# Altium PCB zynqCoreboard_PCB.PcbDoc (continued)
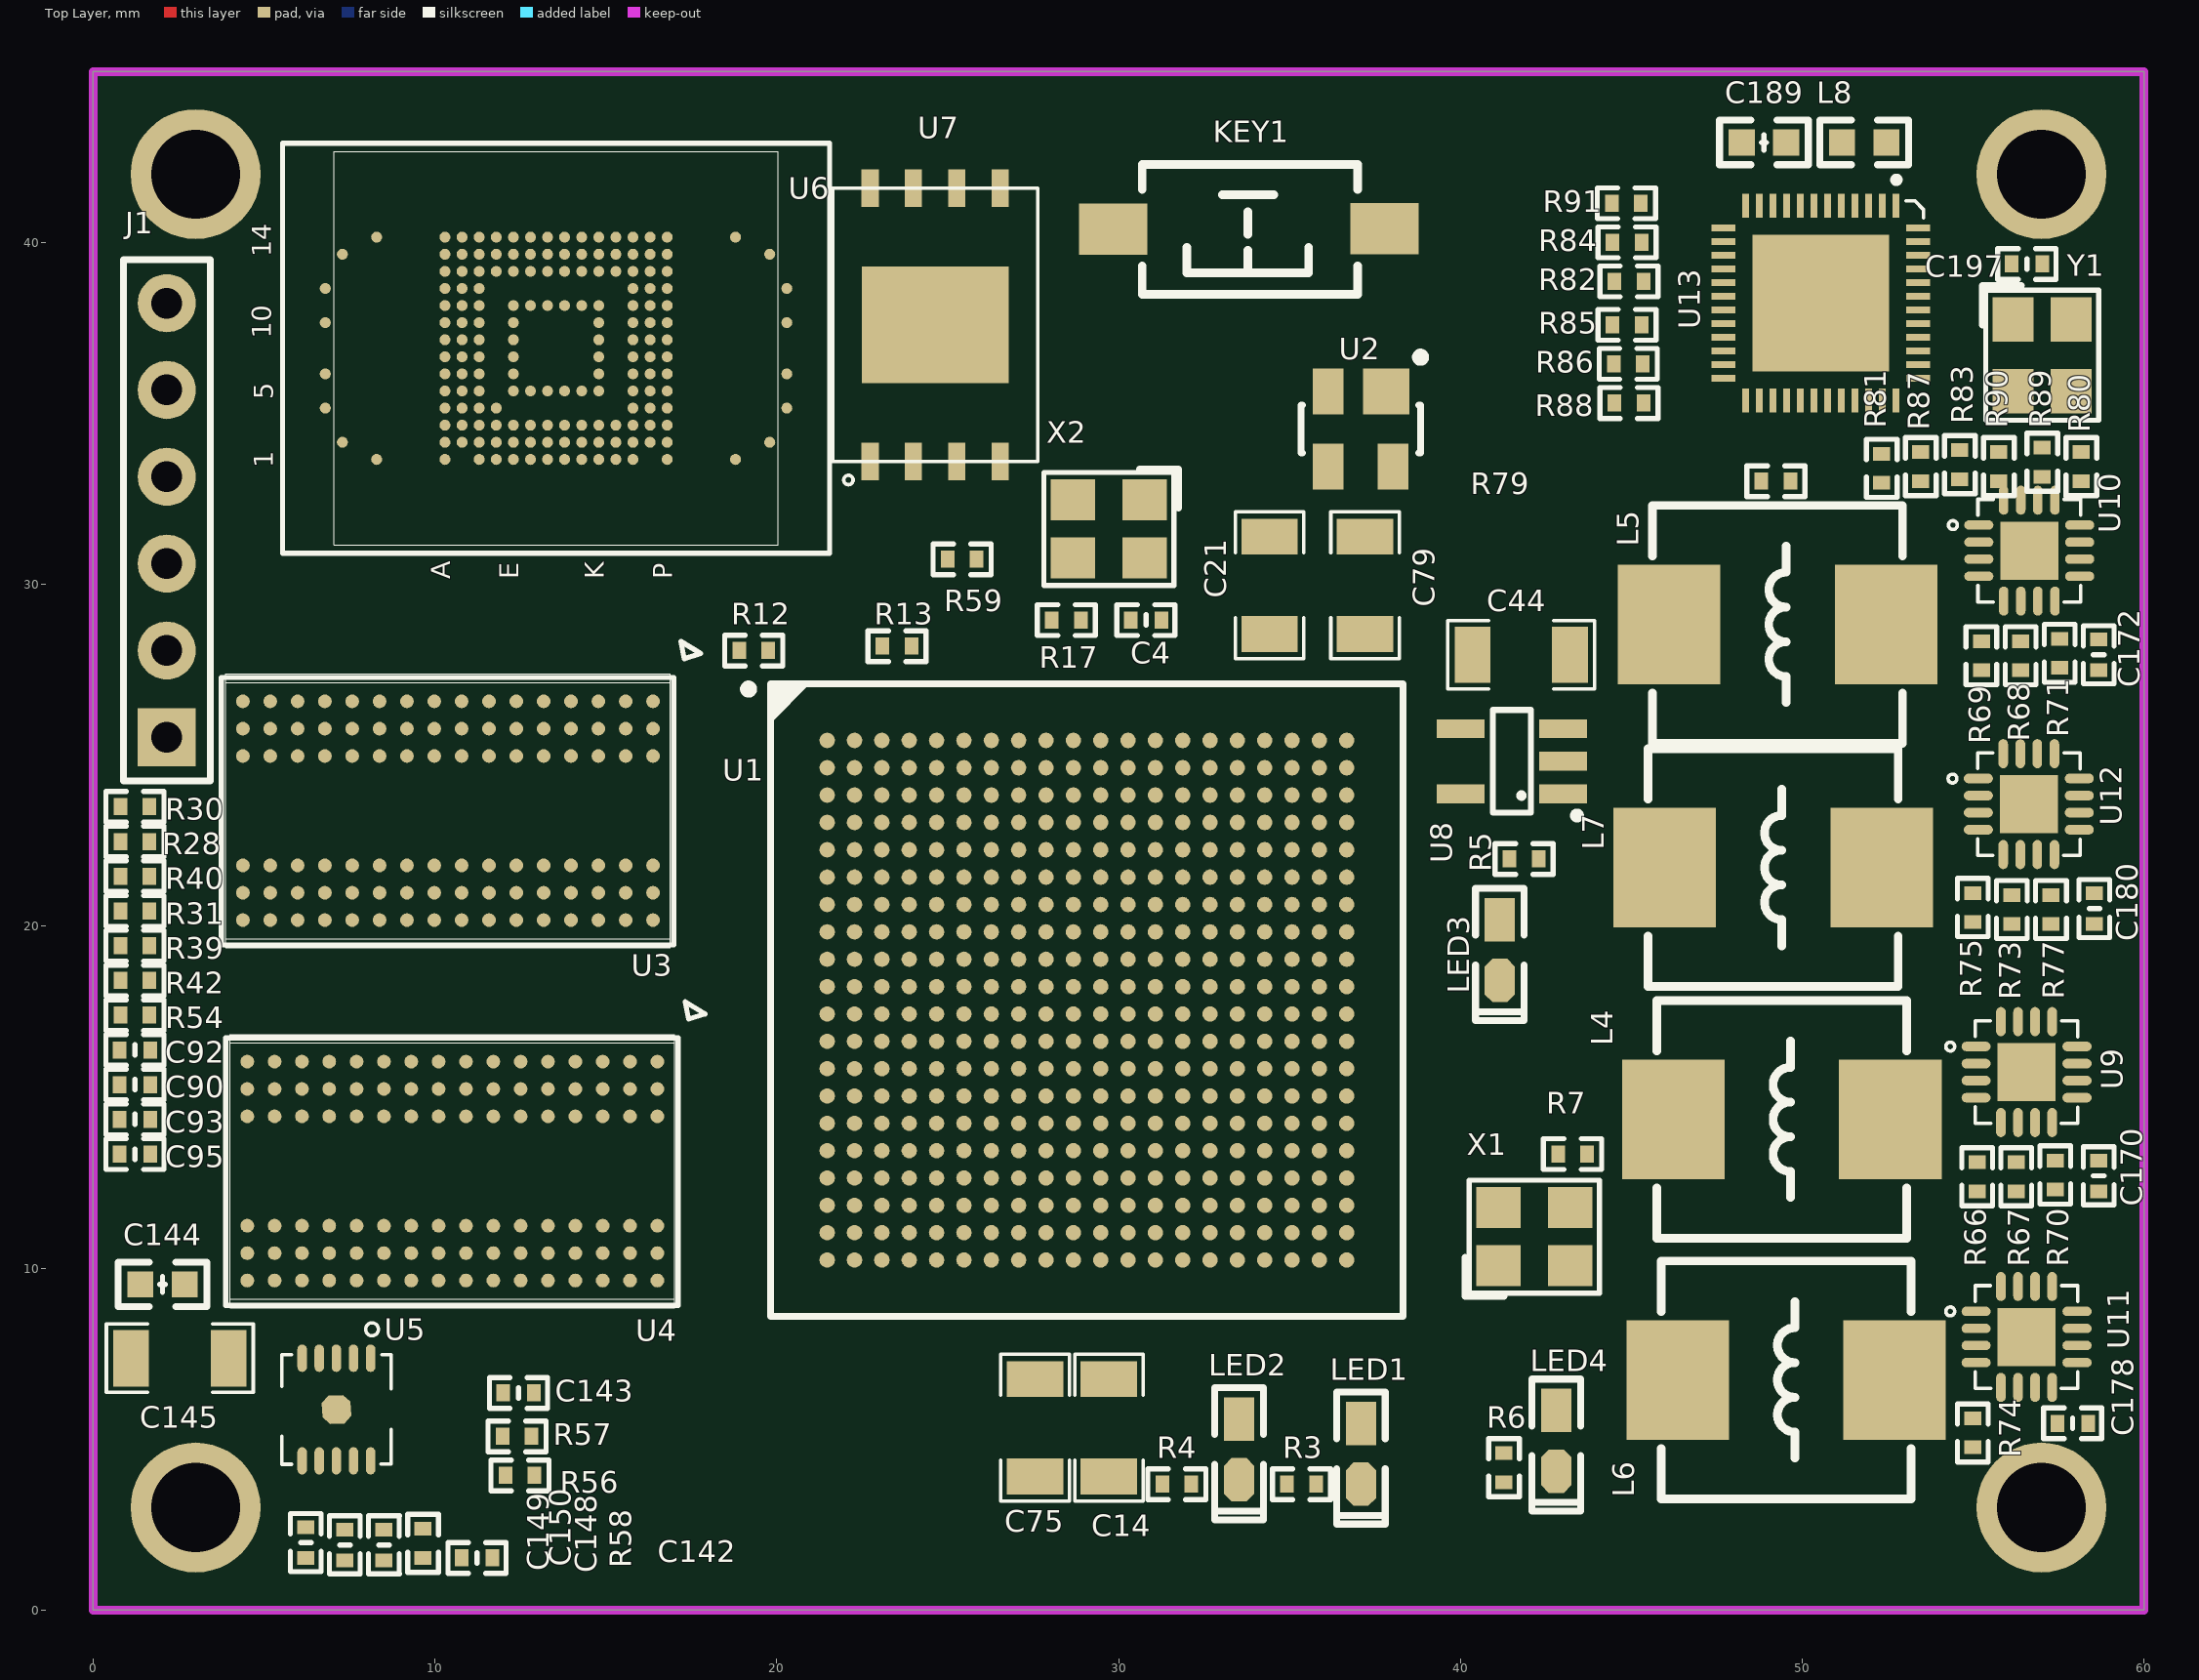
[diagram p0: Top Layer view]
## Components (designator, comment, footprint, x,y, rotation, side; value= is the part's Value field where it differs from the comment) (continued)
U12 "TLV62130RGT" QFN16_3X3 56.642,23.574 r270 top
U13 "RTL8211E" QFN48 50.57,38.227 r270 top
X1 "50MHz" "OSC 3225-4P" 42.164,10.922 r0 top
X2 "33.33333MHz" "OSC 3225-4P" 29.718,31.623 r180 top
Y1 "25MHz" "OSC 3225-4P" 57.023,36.703 r270 top

## Footprints (in the part's own frame and the unit in brackets; to place one, negate y for a bottom-side part, rotate by r counter-clockwise, add the part's x,y. Pads: shape width x height; smd on the part's side, far side on the other; paste and mask are expansions set on the pad)
C0402 [mm] "无极性贴片电容"
  rect 0.4x0.5 smd: 1(-0.45,0) 2(0.45,0)
  silkscreen extent -0.85,-0.45 0.85,0.45, body extent -0.5,-0.26 0.5,0.26, height 0.53
C0603 [mil] "无极性贴片电容"
  rect 30x30 smd: 1(-25.59,0) 2(25.59,0)
  silkscreen extent -51,-26 51,26, body extent -31,-16 31,16, height 32
C0805 [mil] "无极性贴片电容"
  rect 50x50 smd: 1(-45,0) 2(45,0)
  silkscreen extent -81,-36 81,36, body extent -39,-24 39,24, height 20
C1206 [mil]
  rect 41.3x65 smd: 1(-56.1,0) 2(56.1,0)
  silkscreen extent -85,-39 85,39, body extent -63,-32 63,32, height 48
FBGA_96 [mil] "FBGA_96"
  round 15.8 smd: A1(-125.5,236.2) A2(-94,236.2) A3(-62.5,236.2) A7(63.5,236.2) A8(95,236.2) A9(126.5,236.2) B1(-125.5,204.7) B2(-94,204.7) B3(-62.5,204.7) B7(63.5,204.7) B8(95,204.7) B9(126.5,204.7) C1(-125.5,173.2) C2(-94,173.2) C3(-62.5,173.2) C7(63.5,173.2) C8(95,173.2) C9(126.5,173.2) D1(-125.5,141.7) D2(-94,141.7) D3(-62.5,141.7) D7(63.5,141.7) D8(95,141.7) D9(126.5,141.7) E1(-125.5,110.2) E2(-94,110.2) E3(-62.5,110.2) E7(63.5,110.2) E8(95,110.2) E9(126.5,110.2) F1(-125.5,78.7) F2(-94,78.7) F3(-62.5,78.7) F7(63.5,78.7) F8(95,78.7) F9(126.5,78.7) G1(-125.5,47.2) G2(-94,47.2) G3(-62.5,47.2) G7(63.5,47.2) G8(95,47.2) G9(126.5,47.2) H1(-125.5,15.7) H2(-94,15.7) H3(-62.5,15.7) H7(63.5,15.7) H8(95,15.7) H9(126.5,15.7) J1(-125.5,-15.8) J2(-94,-15.8) J3(-62.5,-15.8) J7(63.5,-15.8) J8(95,-15.8) J9(126.5,-15.8) K1(-125.5,-47.3) K2(-94,-47.3) K3(-62.5,-47.3) K7(63.5,-47.3) K8(95,-47.3) K9(126.5,-47.3) L1(-125.5,-78.8) L2(-94,-78.8) L3(-62.5,-78.8) L7(63.5,-78.8) L8(95,-78.8) L9(126.5,-78.8) M1(-125.5,-110.3) M2(-94,-110.3) M3(-62.5,-110.3) M7(63.5,-110.3) M8(95,-110.3) M9(126.5,-110.3) N1(-125.5,-141.8) N2(-94,-141.8) N3(-62.5,-141.8) N7(63.5,-141.8) N8(95,-141.8) N9(126.5,-141.8) P1(-125.5,-173.2) P2(-94,-173.2) P3(-62.5,-173.2) P7(63.5,-173.2) P8(95,-173.2) P9(126.5,-173.2) R1(-125.5,-204.7) R2(-94,-204.7) R3(-62.5,-204.7) R7(63.5,-204.7) R8(95,-204.7) R9(126.5,-204.7) T1(-125.5,-236.2) T2(-94,-236.2) T3(-62.5,-236.2) T7(63.5,-236.2) T8(95,-236.2) T9(126.5,-236.2)
  silkscreen extent -195,-261 158,291, body extent -147,-256 149,256, height 42
FPAD_1 [mil] "FPAD_1"
  round 63 smd: 1(0,0)
  silkscreen extent -30,-30 30,30
HDR2.54-LI-6P [mm] "排针，6脚"
  rect 1.7x1.7 hole 0.9: 1(-6.35,0)
  round 1.7 hole 0.9: 2(-3.81,0) 3(-1.27,0) 4(1.27,0) 5(3.81,0) 6(6.35,0)
  silkscreen extent -7.62,-1.27 7.62,1.27, body extent -7.62,-1.27 7.62,1.27, height 8.5
L0402 [mm] "小功率贴片电感"
  rect 0.4x0.5 smd: 1(-0.45,0) 2(0.45,0)
  silkscreen extent -0.85,-0.45 0.85,0.45, body extent -0.47,-0.25 0.53,0.25, height 0.5
L0603 [mil] "小功率贴片电感"
  rect 30x30 smd: 1(-25.59,0) 2(25.59,0)
  silkscreen extent -51,-26 51,26, body extent -31,-16 32,16, height 31
L-SMD-0630 [mm] "一体化成型电感"
  rect 3x3.5 smd: 1(-3.175,0) 2(3.175,0)
  silkscreen extent -3.66,-3.48 3.66,3.48, body extent -3.47,-3.3 3.47,3.3, height 3.05
"LED 0603G" [mil] "绿色0603LED"
  rect 50x35 smd: 1(-35,0.26)
  oct 50x35 smd: 2(35,0.26)
  silkscreen extent -71,-28 81,28, body extent -31,-16 32,16, height 18
"OSC 3225-4P" [mm] "3.2*2.5*0.7mm(长宽高)"
  rect 1.3x1.2 smd: 1(-1.05,-0.85) 2(1.05,-0.85) 3(1.05,0.85) 4(-1.05,0.85)
  silkscreen extent -2.03,-1.75 1.91,1.65, body extent -1.6,-1.25 1.6,1.25, height 0.7
QFN16_3X3 [mil] "3x3mm"
  oval 11x33.5 smd: 1(-29.5,-58.6) 2(-9.8,-58.6) 3(9.8,-58.6) 4(29.5,-58.6) 9(29.5,57.6) 10(9.8,57.6) 11(-9.8,57.6) 12(-29.5,57.6)
  oval 33.5x11 smd: 5(58.1,-30) 6(58.1,-10.3) 7(58.1,9.3) 8(58.1,29) 13(-58.1,29) 14(-58.1,9.3) 15(-58.1,-10.3) 16(-58.1,-30)
  rect 66.9x66.9 smd: 20(0,-0.5)
  silkscreen extent -59,-93 59,59, body extent -61,-60 59,60, height 35
QFN48 [mm] "RTL8211_QFN48"
  rect 0.7x0.2 smd: 1(-2.85,2.176) 2(-2.85,1.776) 3(-2.85,1.376) 4(-2.85,0.976) 5(-2.85,0.576) 6(-2.85,0.176) 7(-2.85,-0.224) 8(-2.85,-0.624) 9(-2.85,-1.024) 10(-2.85,-1.424) 11(-2.85,-1.824) 12(-2.85,-2.224) 25(2.85,-2.224) 26(2.85,-1.824) 27(2.85,-1.424) 28(2.85,-1.024) 29(2.85,-0.624) 30(2.85,-0.224) 31(2.85,0.176) 32(2.85,0.576) 33(2.85,0.976) 34(2.85,1.376) 35(2.85,1.776) 36(2.85,2.176)
  rect 0.2x0.7 smd: 13(-2.2,-2.874) 14(-1.8,-2.874) 15(-1.4,-2.874) 16(-1,-2.874) 17(-0.6,-2.874) 18(-0.2,-2.874) 19(0.2,-2.874) 20(0.6,-2.874) 21(1,-2.874) 22(1.4,-2.874) 23(1.8,-2.874) 24(2.2,-2.874) 37(2.2,2.826) 38(1.8,2.826) 39(1.4,2.826) 40(1,2.826) 41(0.6,2.826) 42(0.2,2.826) 43(-0.2,2.826) 44(-0.6,2.826) 45(-1,2.826) 46(-1.4,2.826) 47(-1.8,2.826) 48(-2.2,2.826)
  rect 4x4 smd: 49(0,-0.024)
  silkscreen extent -3.69,2.11 -2.49,2.97, body extent -3,-3.03 3,2.97, height 0.9
R0402 [mm] "1/16W高精度贴片电阻"
  rect 0.4x0.5 smd: 1(-0.4,0) 2(0.45,0)
  silkscreen extent -0.82,-0.45 0.88,0.45, body extent -0.5,-0.25 0.5,0.25, height 0.3
SOT23-5 [mm] "3x1.6x1.1mm(长宽高)"
  rect 0.55x1.4 smd: 1(-0.95,-1.5) 2(0,-1.5) 3(0.95,-1.5) 4(0.95,1.5) 5(-0.95,1.5)
  silkscreen extent -1.66,-1.98 1.5,0.56, body extent -1.5,-1.4 1.5,1.4, height 1.15
SOT143 [mm] "SOT-143; 4 Leads; Body 3 x 2.6 mm, inc. leads (LxW max)"
  rect 1.35x1.35 smd: 1(-0.75,-1.1)
  rect 0.9x1.35 smd: 2(0.95,-1.1) 3(0.95,1.1) 4(-0.95,1.1)
  silkscreen extent -1.88,-2.22 1.75,0.7, body extent -1.52,-1.5 1.51,1.46, height 0.8
TPS_QFN10 [mil] "TPS_QFN10"
  oval 31.5x11 smd: 1(-58.7,39.4) 2(-58.7,19.7) 3(-58.7,0) 4(-58.7,-19.7) 5(-58.7,-39.4) 6(59.5,-39.4) 7(59.5,-19.7) 8(59.5,0) 9(59.5,19.7) 10(59.5,39.4)
  oct 33.3x33.3 smd rot 3: 11(0.4,0)
  silkscreen extent -99,-63 63,63, body extent -60,-59 58,59, height 35
"TSW SMD-3*6*2.5" [mm] "3*6*2.5mm"
  rect 2x1.5 smd: 1(-3.996,-0.02) 2(3.937,0)
  silkscreen extent -3.21,-1.9 3.09,1.9, body extent -4,-1.88 4,1.62, height 2.59
VFBGA [mm] "VFBGA"
  round 0.32 smd: 1(-3.251,5.25) 2(-2.751,6.251) 3(-1.75,6.751) 4(-0.749,6.751) 5(0.749,6.751) 6(1.75,6.751) 7(2.751,6.251) 8(3.251,5.25) 9(-3.251,-5.25) 10(-2.751,-6.251) 11(-1.75,-6.751) 12(-0.749,-6.751) 13(0.749,-6.751) 14(1.75,-6.751) 15(2.751,-6.251) 16(3.251,-5.25) A1(-3.251,3.251) A2(-2.751,3.251) A3(-2.25,3.251) A4(-1.75,3.251) A5(-1.25,3.251) A6(-0.749,3.251) A7(-0.249,3.251) A8(0.249,3.251) A9(0.749,3.251) A10(1.25,3.251) A11(1.75,3.251) A12(2.25,3.251) A13(2.751,3.251) A14(3.251,3.251) B2(-2.751,2.751) B3(-2.25,2.751) B4(-1.75,2.751) B5(-1.25,2.751) B6(-0.749,2.751) B7(-0.249,2.751) B8(0.249,2.751) B9(0.749,2.751) B10(1.25,2.751) B11(1.75,2.751) B12(2.25,2.751) B13(2.751,2.751) B14(3.251,2.751) C1(-3.251,2.25) C2(-2.751,2.25) C3(-2.25,2.25) C4(-1.75,2.25) C5(-1.25,2.25) C6(-0.749,2.25) C7(-0.249,2.25) C8(0.249,2.25) C9(0.749,2.25) C10(1.25,2.25) C11(1.75,2.25) C12(2.25,2.25) C13(2.751,2.25) C14(3.251,2.25) D1(-3.251,1.75) D2(-2.751,1.75) D3(-2.25,1.75) D4(-1.75,1.75) D12(2.25,1.75) D13(2.751,1.75) D14(3.251,1.75) E1(-3.251,1.25) E2(-2.751,1.25) E3(-2.25,1.25) E5(-1.25,1.25) E6(-0.749,1.25) E7(-0.249,1.25) E8(0.249,1.25) E9(0.749,1.25) E10(1.25,1.25) E12(2.25,1.25) E13(2.751,1.25) E14(3.251,1.25) F1(-3.251,0.749) F2(-2.751,0.749) F3(-2.25,0.749) F5(-1.25,0.749) F10(1.25,0.749) F12(2.25,0.749) F13(2.751,0.749) F14(3.251,0.749) G1(-3.251,0.249) G2(-2.751,0.249) G3(-2.25,0.249) G5(-1.25,0.249) G10(1.25,0.249) G12(2.25,0.249) G13(2.751,0.249) G14(3.251,0.249) H1(-3.251,-0.249) H2(-2.751,-0.249) H3(-2.25,-0.249) H5(-1.25,-0.249) H10(1.25,-0.249) H12(2.25,-0.249) H13(2.751,-0.249) H14(3.251,-0.249) J1(-3.251,-0.749) J2(-2.751,-0.749) J3(-2.25,-0.749) J5(-1.25,-0.749) J10(1.25,-0.749) J12(2.25,-0.749) J13(2.751,-0.749) J14(3.251,-0.749) K1(-3.251,-1.25) K2(-2.751,-1.25) K3(-2.25,-1.25) K5(-1.25,-1.25) K6(-0.749,-1.25) K7(-0.249,-1.25) K8(0.249,-1.25) K9(0.749,-1.25) K10(1.25,-1.25) K12(2.25,-1.25) K13(2.751,-1.25) K14(3.251,-1.25) L1(-3.251,-1.75) L2(-2.751,-1.75) L3(-2.25,-1.75) L12(2.25,-1.75) L13(2.751,-1.75) L14(3.251,-1.75) M1(-3.251,-2.25) M2(-2.751,-2.25) M3(-2.25,-2.25) M4(-1.75,-2.25) M5(-1.25,-2.25) M6(-0.749,-2.25) M7(-0.249,-2.25) M8(0.249,-2.25) M9(0.749,-2.25) M10(1.25,-2.25) M11(1.75,-2.25) M12(2.25,-2.25) M13(2.751,-2.25) M14(3.251,-2.25) N2(-2.751,-2.751) N3(-2.25,-2.751) N4(-1.75,-2.751) N5(-1.25,-2.751) N6(-0.749,-2.751) N7(-0.249,-2.751) N8(0.249,-2.751) N9(0.749,-2.751) N10(1.25,-2.751) N11(1.75,-2.751) N12(2.25,-2.751) N13(2.751,-2.751) N14(3.251,-2.751) P1(-3.251,-3.251) P2(-2.751,-3.251) P3(-2.25,-3.251) P4(-1.75,-3.251) P5(-1.25,-3.251) P6(-0.749,-3.251) P7(-0.249,-3.251) P8(0.249,-3.251) P9(0.749,-3.251) P10(1.25,-3.251) P11(1.75,-3.251) P12(2.25,-3.251) P13(2.751,-3.251) P14(3.251,-3.251)
  silkscreen extent -7,-8 6,9.04, body extent -5.74,-6.54 5.76,6.46, height 0.8
W25Q256FV [mil] "PSON, 8-Leads, Body 8.00x6.00mm, Pitch 1.27mm, Thermal Pad 3.40x4.30mm, IPC Medium Density"
  rect 43.3x19.7 smd: 1(-157.5,75) 2(-157.5,25) 3(-157.5,-25) 4(-157.5,-75) 5(157.5,-75) 6(157.5,-25) 7(157.5,25) 8(157.5,75)
  rect 133.9x169.3 smd: 9(0,0)
  silkscreen extent -184,-118 158,118
ZYNQ7020CL400 [mm] "BGA, 400-Leads, Body 18.50x18.50mmx1.60mm, Pitch 0.80mm"
  round 0.45 smd: A1(-7.6,7.6) A2(-6.8,7.6) A3(-6,7.6) A4(-5.2,7.6) A5(-4.4,7.6) A6(-3.6,7.6) A7(-2.8,7.6) A8(-2,7.6) A9(-1.2,7.6) A10(-0.4,7.6) A11(0.4,7.6) A12(1.2,7.6) A13(2,7.6) A14(2.8,7.6) A15(3.6,7.6) A16(4.4,7.6) A17(5.2,7.6) A18(6,7.6) A19(6.8,7.6) A20(7.6,7.6) B1(-7.6,6.8) B2(-6.8,6.8) B3(-6,6.8) B4(-5.2,6.8) B5(-4.4,6.8) B6(-3.6,6.8) B7(-2.8,6.8) B8(-2,6.8) B9(-1.2,6.8) B10(-0.4,6.8) B11(0.4,6.8) B12(1.2,6.8) B13(2,6.8) B14(2.8,6.8) B15(3.6,6.8) B16(4.4,6.8) B17(5.2,6.8) B18(6,6.8) B19(6.8,6.8) B20(7.6,6.8) C1(-7.6,6) C2(-6.8,6) C3(-6,6) C4(-5.2,6) C5(-4.4,6) C6(-3.6,6) C7(-2.8,6) C8(-2,6) C9(-1.2,6) C10(-0.4,6) C11(0.4,6) C12(1.2,6) C13(2,6) C14(2.8,6) C15(3.6,6) C16(4.4,6) C17(5.2,6) C18(6,6) C19(6.8,6) C20(7.6,6) D1(-7.6,5.2) D2(-6.8,5.2) D3(-6,5.2) D4(-5.2,5.2) D5(-4.4,5.2) D6(-3.6,5.2) D7(-2.8,5.2) D8(-2,5.2) D9(-1.2,5.2) D10(-0.4,5.2) D11(0.4,5.2) D12(1.2,5.2) D13(2,5.2) D14(2.8,5.2) D15(3.6,5.2) D16(4.4,5.2) D17(5.2,5.2) D18(6,5.2) D19(6.8,5.2) D20(7.6,5.2) E1(-7.6,4.4) E2(-6.8,4.4) E3(-6,4.4) E4(-5.2,4.4) E5(-4.4,4.4) E6(-3.6,4.4) E7(-2.8,4.4) E8(-2,4.4) E9(-1.2,4.4) E10(-0.4,4.4) E11(0.4,4.4) E12(1.2,4.4) E13(2,4.4) E14(2.8,4.4) E15(3.6,4.4) E16(4.4,4.4) E17(5.2,4.4) E18(6,4.4) E19(6.8,4.4) E20(7.6,4.4) F1(-7.6,3.6) F2(-6.8,3.6) F3(-6,3.6) F4(-5.2,3.6) F5(-4.4,3.6) F6(-3.6,3.6) F7(-2.8,3.6) F8(-2,3.6) F9(-1.2,3.6) F10(-0.4,3.6) F11(0.4,3.6) F12(1.2,3.6) F13(2,3.6) F14(2.8,3.6) F15(3.6,3.6) F16(4.4,3.6) F17(5.2,3.6) F18(6,3.6) F19(6.8,3.6) F20(7.6,3.6) G1(-7.6,2.8) G2(-6.8,2.8) G3(-6,2.8) G4(-5.2,2.8) G5(-4.4,2.8) G6(-3.6,2.8) G7(-2.8,2.8) G8(-2,2.8) G9(-1.2,2.8) G10(-0.4,2.8) G11(0.4,2.8) G12(1.2,2.8) G13(2,2.8) G14(2.8,2.8) G15(3.6,2.8) G16(4.4,2.8) G17(5.2,2.8) G18(6,2.8) G19(6.8,2.8) G20(7.6,2.8) H1(-7.6,2) H2(-6.8,2) H3(-6,2) H4(-5.2,2) H5(-4.4,2) H6(-3.6,2) H7(-2.8,2) H8(-2,2) H9(-1.2,2) H10(-0.4,2) H11(0.4,2) H12(1.2,2) H13(2,2) H14(2.8,2) H15(3.6,2) H16(4.4,2) H17(5.2,2) H18(6,2) H19(6.8,2) H20(7.6,2) J1(-7.6,1.2) J2(-6.8,1.2) J3(-6,1.2) J4(-5.2,1.2) J5(-4.4,1.2) J6(-3.6,1.2) J7(-2.8,1.2) J8(-2,1.2) J9(-1.2,1.2) J10(-0.4,1.2) J11(0.4,1.2) J12(1.2,1.2) J13(2,1.2) J14(2.8,1.2) J15(3.6,1.2) J16(4.4,1.2) J17(5.2,1.2) J18(6,1.2) J19(6.8,1.2) J20(7.6,1.2) K1(-7.6,0.4) K2(-6.8,0.4) K3(-6,0.4) K4(-5.2,0.4) K5(-4.4,0.4) K6(-3.6,0.4) K7(-2.8,0.4) K8(-2,0.4) K9(-1.2,0.4) K10(-0.4,0.4) K11(0.4,0.4) K12(1.2,0.4) K13(2,0.4) K14(2.8,0.4) K15(3.6,0.4) K16(4.4,0.4) K17(5.2,0.4) K18(6,0.4) K19(6.8,0.4) K20(7.6,0.4) L1(-7.6,-0.4) L2(-6.8,-0.4) L3(-6,-0.4) L4(-5.2,-0.4) L5(-4.4,-0.4) L6(-3.6,-0.4) L7(-2.8,-0.4) L8(-2,-0.4) L9(-1.2,-0.4) L10(-0.4,-0.4) L11(0.4,-0.4) L12(1.2,-0.4) L13(2,-0.4) L14(2.8,-0.4) L15(3.6,-0.4) L16(4.4,-0.4) L17(5.2,-0.4) L18(6,-0.4) L19(6.8,-0.4) L20(7.6,-0.4) M1(-7.6,-1.2) M2(-6.8,-1.2) M3(-6,-1.2) M4(-5.2,-1.2) M5(-4.4,-1.2) M6(-3.6,-1.2) M7(-2.8,-1.2) M8(-2,-1.2) M9(-1.2,-1.2) M10(-0.4,-1.2) M11(0.4,-1.2) M12(1.2,-1.2) M13(2,-1.2) M14(2.8,-1.2) M15(3.6,-1.2) M16(4.4,-1.2) M17(5.2,-1.2) M18(6,-1.2) M19(6.8,-1.2) M20(7.6,-1.2) N1(-7.6,-2) N2(-6.8,-2) N3(-6,-2) N4(-5.2,-2) N5(-4.4,-2) N6(-3.6,-2) N7(-2.8,-2) N8(-2,-2) N9(-1.2,-2) N10(-0.4,-2) N11(0.4,-2) N12(1.2,-2) N13(2,-2) N14(2.8,-2) N15(3.6,-2) N16(4.4,-2) N17(5.2,-2) N18(6,-2) N19(6.8,-2) N20(7.6,-2) P1(-7.6,-2.8) P2(-6.8,-2.8) P3(-6,-2.8) P4(-5.2,-2.8) P5(-4.4,-2.8) P6(-3.6,-2.8) P7(-2.8,-2.8) P8(-2,-2.8) P9(-1.2,-2.8) P10(-0.4,-2.8) P11(0.4,-2.8) P12(1.2,-2.8) P13(2,-2.8) P14(2.8,-2.8) P15(3.6,-2.8) P16(4.4,-2.8) P17(5.2,-2.8) P18(6,-2.8) P19(6.8,-2.8) P20(7.6,-2.8) R1(-7.6,-3.6) R2(-6.8,-3.6) R3(-6,-3.6) R4(-5.2,-3.6) R5(-4.4,-3.6) R6(-3.6,-3.6) R7(-2.8,-3.6) R8(-2,-3.6) R9(-1.2,-3.6) R10(-0.4,-3.6) R11(0.4,-3.6) R12(1.2,-3.6) R13(2,-3.6) R14(2.8,-3.6) R15(3.6,-3.6) R16(4.4,-3.6) R17(5.2,-3.6) R18(6,-3.6) R19(6.8,-3.6) R20(7.6,-3.6) T1(-7.6,-4.4) T2(-6.8,-4.4) T3(-6,-4.4) T4(-5.2,-4.4) T5(-4.4,-4.4) T6(-3.6,-4.4) T7(-2.8,-4.4) T8(-2,-4.4) T9(-1.2,-4.4) T10(-0.4,-4.4) T11(0.4,-4.4) T12(1.2,-4.4) T13(2,-4.4) T14(2.8,-4.4) T15(3.6,-4.4) T16(4.4,-4.4) T17(5.2,-4.4) T18(6,-4.4) T19(6.8,-4.4) T20(7.6,-4.4) U1(-7.6,-5.2) U2(-6.8,-5.2) U3(-6,-5.2) U4(-5.2,-5.2) U5(-4.4,-5.2) U6(-3.6,-5.2) U7(-2.8,-5.2) U8(-2,-5.2) U9(-1.2,-5.2) U10(-0.4,-5.2) U11(0.4,-5.2) U12(1.2,-5.2) U13(2,-5.2) U14(2.8,-5.2) U15(3.6,-5.2) U16(4.4,-5.2) U17(5.2,-5.2) U18(6,-5.2) U19(6.8,-5.2) U20(7.6,-5.2) V1(-7.6,-6) V2(-6.8,-6) V3(-6,-6) V4(-5.2,-6) V5(-4.4,-6) V6(-3.6,-6) V7(-2.8,-6) V8(-2,-6) V9(-1.2,-6) V10(-0.4,-6) V11(0.4,-6) V12(1.2,-6) V13(2,-6) V14(2.8,-6) V15(3.6,-6) V16(4.4,-6) V17(5.2,-6) V18(6,-6) V19(6.8,-6) V20(7.6,-6) W1(-7.6,-6.8) W2(-6.8,-6.8) W3(-6,-6.8) W4(-5.2,-6.8) W5(-4.4,-6.8) W6(-3.6,-6.8) W7(-2.8,-6.8) W8(-2,-6.8) W9(-1.2,-6.8) W10(-0.4,-6.8) W11(0.4,-6.8) W12(1.2,-6.8) W13(2,-6.8) W14(2.8,-6.8) W15(3.6,-6.8) W16(4.4,-6.8) W17(5.2,-6.8) W18(6,-6.8) W19(6.8,-6.8) W20(7.6,-6.8) Y1(-7.6,-7.6) Y2(-6.8,-7.6) Y3(-6,-7.6) Y4(-5.2,-7.6) Y5(-4.4,-7.6) Y6(-3.6,-7.6) Y7(-2.8,-7.6) Y8(-2,-7.6) Y9(-1.2,-7.6) Y10(-0.4,-7.6) Y11(0.4,-7.6) Y12(1.2,-7.6) Y13(2,-7.6) Y14(2.8,-7.6) Y15(3.6,-7.6) Y16(4.4,-7.6) Y17(5.2,-7.6) Y18(6,-7.6) Y19(6.8,-7.6) Y20(7.6,-7.6)
  silkscreen extent -10.02,-9.25 9.25,9.25, body extent -9.25,-9.25 9.25,9.25, height 1.6

## Part data
C1 C2 C3 C4 C5 C6 C8 C9 C10 C11 C12 C13 C15 C16 C17 C18 C19 C22 C23 C24 C25 C26 C28 C29 C30 C31 C32 C33 C34 C35 C37 C38 C39 C41 C42 C43 C45 C46 C47 C48 C49 C50 C51 C52 C53 C54 C55 C56 C57 C58 C59 C60 C61 C65 C66 C67 C68 C69 C70 C71 C72 C73 C74 C76 C77 C78 C80 C81 C82 C83 C84 C86 C87 C88 C89 C90 C91 C92 C93 C94 C95 C96 C97 C98 C99 C100 C101 C102 C103 C104 C105 C106 C107 C108 C109 C110 C111 C112 C113 C114 C115 C116 C117 C118 C119 C120 C121 C122 C123 C124 C125 C126 C127 C128 C129 C130 C131 C132 C133 C134 C135 C136 C137 C138 C139 C140 C141 C142 C143 C148 C149 C150 C151 C154 C155 C156 C158 C159 C160 C161 C163 C164 C166 C168 C170 C172 C174 C176 C178 C180 C182 C184 C185 C186 C187 C188 C190 C191 C192 C193 C194 C195 C196 C197: library part C0402
C7 C40 C85 C144 C146 C147 C152 C153 C157 C169 C171 C177 C179 C189: library part C0603
C14 C20 C21 C27 C36 C44 C62 C63 C64 C79: library part C_3528B
C75 C145: library part C1206
C162 C165 C167 C173 C175 C181 C183 C198: library part C0805
J1: library part CON_1x6Pin_2.54
KEY1: library part Key
L1 L2 L3: library part L0402
L4 L5 L6 L7: library part L_2.2uH_5000mA
L8: library part L0603
LED1 LED2 LED3 LED4: library part LED_0603
R1 R2 R3 R4 R5 R6 R7 R8 R9 R10 R11 R12 R13 R14 R17 R20 R21 R22 R23 R24 R25 R26 R27 R28 R29 R30 R31 R32 R33 R34 R35 R36 R37 R38 R39 R40 R41 R42 R43 R44 R45 R46 R47 R48 R49 R50 R51 R52 R53 R54 R55 R56 R57 R58 R59 R60 R61 R62 R63 R64 R65 R66 R67 R68 R69 R70 R71 R72 R73 R74 R75 R76 R77 R78 R79 R80 R81 R82 R83 R84 R85 R86 R87 R88 R89 R90 R91: library part R0402
X1 X2: library part XTAL_50MHz_3225
Y1: library part XTAL_25MHz_3225

## Free pads (board coordinates)
  round 3.8 hole 2.6 unplated: 1(3,3) 2(57,3) 3(57,42) 4(3,42)

## Nets (pads, with @x,y where several pads share a name; then routed paths per layer and width w, separated by ;. In a path a pad name is that pad's centre, name@x,y a point inside that pad or via, vN(x,y) a via of type N, cw(c..) or ccw(c..) an arc to the next point about the centre after c; other vN are vias at no path point)
1V0_PG: R66.1 U9.4 U10.13
1V5_PG: R74.1 U11.4 U12.13
1V8_PG: R69.1 U10.4 U11.13
+1.0V: C15.2 C16.2 C17.2 C18.2 C19.2 C20.2 C40.2 C41.2 C42.2 C43.2 C53.2 C54.2 C55.2 C56.2 C57.2 C58.2 C59.2 C60.2 C61.2 C62.2 C165.2 C166.2 L4.2 R66.2 R67.2 TP1.1 U1.G7 U1.G11 U1.G13 U1.H10 U1.H12 U1.J7 U1.J13 U1.K12 U1.L7 U1.L13 U1.M12 U1.N7 U1.N13 U1.P8 U1.P12 U1.R7 U1.R13 U9.14
+1.5V: C63.2 C64.2 C65.2 C66.2 C67.2 C68.2 C69.2 C70.2 C71.2 C72.2 C73.2 C74.2 C100.2 C101.2 C104.2 C105.2 C106.2 C107.2 C108.2 C109.2 C110.2 C111.2 C112.2 C113.2 C114.2 C115.2 C116.2 C117.2 C118.2 C119.2 C120.2 C121.2 C122.2 C123.2 C124.2 C125.2 C126.2 C127.2 C128.2 C129.2 C130.2 C131.2 C132.2 C133.2 C134.2 C135.2 C136.2 C137.2 C138.2 C139.2 C140.2 C141.2 C146.2 C147.2 C173.2 C174.2 L6.2 R27.2 R56.1 R72.2 R74.2 TP2.1 U1.A3 U1.D2 U1.E5 U1.G1 U1.H4 U1.L3 U1.P2 U1.R5 U1.U1 U1.V4 U3.A1 U3.A8 U3.B2 U3.C1 U3.C9 U3.D2 U3.D9 U3.E9 U3.F1 U3.G7 U3.H2 U3.H9 U3.K2 U3.K8 U3.N1 U3.N9 U3.R1 U3.R9 U4.A1 U4.A8 U4.B2 U4.C1 U4.C9 U4.D2 U4.D9 U4.E9 U4.F1 U4.G7 U4.H2 U4.H9 U4.K2 U4.K8 U4.N1 U4.N9 U4.R1 U4.R9 U5.2 U11.14
+1.8V: C21.2 C22.2 C23.2 C24.2 C25.2 C26.2 C36.2 C37.2 C38.2 C39.2 C79.2 C80.2 C81.2 C82.2 C83.2 C84.2 C157.2 C158.2 C159.2 C160.2 C167.2 C168.2 C187.2 C188.2 L1.2 L3.2 L5.2 R20.2 R25.2 R60.2 R61.2 R62.2 R63.2 R64.2 R65.2 R68.2 R69.2 R79.1 R82.2 R84.2 R85.2 R86.2 TP3.1 U1.A13 U1.B16 U1.D12 U1.E15 U1.F8 U1.F11 U1.G9 U1.H8 U1.J11 U1.K8 U1.L11 U1.M8 U1.N9 U1.N11 U1.P10 U1.R9 U6.C6 U6.M4 U6.N4 U6.P3 U6.P5 U10.14 U13.15 U13.21
+3.3V: C3.2 C4.1 C6.1 C7.2 C8.2 C9.2 C10.2 C11.2 C12.2 C13.2 C14.2 C27.2 C28.2 C29.2 C30.2 C31.2 C32.2 C33.2 C34.2 C35.2 C44.2 C45.2 C46.2 C47.2 C48.2 C49.2 C50.2 C51.2 C52.2 C75.2 C76.2 C77.2 C78.2 C142.2 C148.2 C151.2 C153.2 C154.2 C155.2 C156.2 C175.2 C176.2 C181.2 C182.2 C183.2 C184.2 C185.2 C186.2 J1.6 L7.2 LED3.1 LED4.1 R1.2 R2.2 R9.1 R22.2 R58.2 R59.2 R73.2 R75.2 R81.2 R83.2 R87.2 R88.2 R89.2 TP4.1 U1.B6 U1.D7 U1.K6 U1.M6 U1.N6 U1.N19 U1.R6 U1.R15 U1.T6 U1.T8 U1.T18 U1.U11 U1.V14 U1.W7 U1.W17 U1.Y10 U1.Y20 U2.4 U5.7 U5.10 U6.E6 U6.F5 U6.J10 U6.K9 U7.8 U8.3 U12.14 U13.6 U13.37 U13.41 U13.44 U13.45 X1.1 X1.4 X2.1 X2.4
+5V: C169.2 C170.2 C171.2 C172.2 C177.2 C178.2 C179.2 C180.2 U9.9 U9.10 U9.11 U9.12 U9.13 U10.9 U10.10 U10.11 U10.12 U11.9 U11.10 U11.11 U11.12 U12.9 U12.10 U12.11 U12.12
ADVDD10: C191.2 C192.2 C193.2 R78.2 U13.3 U13.9 U13.40
AGND: C1.1 C2.1 L2.2 U1.J10 U1.K10 U1.L9
AVCC: C1.2 C2.2 L1.1 U1.J9
B34_IO0: U1.R19
B34_IO25: U1.T19
B34_L1_N: U1.P16
B34_L1_P: U1.P15
B34_L2_N: U1.R14
B34_L2_P: U1.P14
B34_L3_N: U1.V13
B34_L3_P: R8.2 U1.U13
B34_L4_N: U1.T15
B34_L4_P: U1.T14
B34_L5_N: U1.Y14
B34_L5_P: U1.W14
B34_L6_N: U1.P18
B34_L6_P: U1.N17
B34_L7_N: U1.W16
B34_L7_P: U1.V16
B34_L8_N: U1.R17
B34_L8_P: U1.R16
B34_L9_N: U1.W19
B34_L9_P: U1.W18
B34_L10_N: U1.Y19
B34_L10_P: U1.Y18
B34_L11_N: U1.U15
B34_L11_P: U1.U14
B34_L12_N: U1.U19
B34_L13_N: U1.W20
B34_L13_P: U1.V20
B34_L14_N: U1.U17
B34_L14_P: U1.T16
B34_L15_N: U1.U20
B34_L15_P: U1.T20
B34_L16_N: U1.Y17
B34_L16_P: U1.Y16
B34_L17_N: U1.P20
B34_L17_P: U1.N20
B34_L18_N: U1.V18
B34_L18_P: U1.V17
B34_L19_N: U1.R18
B34_L19_P: U1.T17
B34_L20_N: U1.P19
B34_L20_P: U1.N18
B34_L21_N: U1.T10
B34_L21_P: U1.T11
B34_L22_N: U1.W15
B34_L22_P: U1.V15
B34_L23_N: U1.U12
B34_L23_P: U1.T12
B34_L24_N: U1.W13
B34_L24_P: U1.V12
B35_IO0: U1.G14
B35_IO25: U1.J15
B35_L1_N: U1.G15
B35_L1_P: U1.H15
B35_L2_N: U1.L20
B35_L2_P: U1.L19
B35_L3_N: U1.N16
B35_L3_P: U1.N15
B35_L4_N: U1.H20
B35_L4_P: U1.J20
B35_L5_N: U1.M18
B35_L5_P: U1.M17
B35_L6_N: U1.L17
B35_L6_P: U1.L16
B35_L7_N: U1.M15
B35_L7_P: U1.M14
B35_L8_N: U1.J19
B35_L8_P: U1.K19
B35_L9_N: U1.H18
B35_L9_P: U1.J18
B35_L10_N: U1.G18
B35_L10_P: U1.G17
B35_L11_N: U1.H17
B35_L11_P: U1.H16
B35_L12_N: U1.L15
B35_L12_P: U1.L14
B35_L13_N: U1.M20
B35_L13_P: U1.M19
B35_L14_N: U1.J14
B35_L14_P: U1.K14
B35_L15_N: U1.K18
B35_L15_P: U1.K17
B35_L16_N: U1.F17
B35_L16_P: U1.F16
B35_L17_N: U1.G20
B35_L17_P: U1.G19
B35_L18_N: U1.F20
B35_L18_P: U1.F19
B35_L19_N: U1.E19
B35_L19_P: U1.E18
B35_L20_N: U1.D18
B35_L20_P: U1.E17
B35_L21_N: U1.B20
B35_L21_P: U1.C20
B35_L22_N: U1.A20
B35_L22_P: U1.B19
B35_L23_N: U1.D20
B35_L23_P: U1.D19
B35_L24_P: U1.K16
DDR3_A0: R28.2 U1.N2 U3.N3 U4.N3
DDR3_A1: R29.2 U1.K2 U3.P7 U4.P7
DDR3_A2: R30.2 U1.M3 U3.P3 U4.P3
DDR3_A3: R31.2 U1.K3 U3.N2 U4.N2
DDR3_A4: R32.2 U1.M4 U3.P8 U4.P8
DDR3_A5: R33.2 U1.L1 U3.P2 U4.P2
DDR3_A6: R34.2 U1.L4 U3.R8 U4.R8
DDR3_A7: R35.2 U1.K4 U3.R2 U4.R2
DDR3_A8: R36.2 U1.K1 U3.T8 U4.T8
DDR3_A9: R37.2 U1.J4 U3.R3 U4.R3
DDR3_A10: R38.2 U1.F5 U3.L7 U4.L7
DDR3_A11: R39.2 U1.G4 U3.R7 U4.R7
DDR3_A12: R40.2 U1.E4 U3.N7 U4.N7
DDR3_A13: R41.2 U1.D4 U3.T3 U4.T3
DDR3_A14: R42.2 U1.F4 U3.T7 U4.T7
DDR3_BA0: R43.2 U1.L5 U3.M2 U4.M2
DDR3_BA1: R46.2 U1.R4 U3.N8 U4.N8
DDR3_BA2: R47.2 U1.J5 U3.M3 U4.M3
DDR3_CAS: R51.2 U1.P5 U3.K3 U4.K3
DDR3_CKE: R54.2 U1.N3 U3.K9 U4.K9
DDR3_CLK0_N: R55.1 U1.M2 U3.K7 U4.K7
DDR3_CLK0_P: R55.2 U1.L2 U3.J7 U4.J7
DDR3_D0: U1.C3 U3.F8
DDR3_D1: U1.B3 U3.G2
DDR3_D2: U1.A2 U3.F2
DDR3_D3: U1.A4 U3.H3
DDR3_D4: U1.D3 U3.H8
DDR3_D5: U1.D1 U3.F7
DDR3_D6: U1.C1 U3.E3
DDR3_D7: U1.E1 U3.H7
DDR3_D8: U1.E2 U3.C3
DDR3_D9: U1.E3 U3.C2
DDR3_D10: U1.G3 U3.A3
DDR3_D11: U1.H3 U3.A2
DDR3_D12: U1.J3 U3.C8
DDR3_D13: U1.H2 U3.A7
DDR3_D14: U1.H1 U3.D7
DDR3_D15: U1.J1 U3.B8
DDR3_D16: U1.P1 U4.E3
DDR3_D17: U1.P3 U4.F2
DDR3_D18: U1.R3 U4.G2
DDR3_D19: U1.R1 U4.H3
DDR3_D20: U1.T4 U4.H7
DDR3_D21: U1.U4 U4.H8
DDR3_D22: U1.U2 U4.F7
DDR3_D23: U1.U3 U4.F8
DDR3_D24: U1.V1 U4.A3
DDR3_D25: U1.Y3 U4.C8
DDR3_D26: U1.W1 U4.C3
DDR3_D27: U1.Y4 U4.A7
DDR3_D28: U1.Y2 U4.D7
DDR3_D29: U1.W3 U4.B8
DDR3_D30: U1.V2 U4.A2
DDR3_D31: U1.V3 U4.C2
DDR3_DM0: U1.A1 U3.E7
DDR3_DM1: U1.F1 U3.D3
DDR3_DM2: U1.T1 U4.E7
DDR3_DM3: U1.Y1 U4.D3
DDR3_DQS0_N: U1.B2 U3.G3
DDR3_DQS0_P: U1.C2 U3.F3
DDR3_DQS1_N: U1.F2
DDR3_DQS1_P: U1.G2 U3.C7
DDR3_DQS2_N: U1.T2 U4.G3
DDR3_DQS2_P: U1.R2 U4.F3
DDR3_DQS3_N: U1.W4
DDR3_DQS3_P: U4.C7
DDR3_ODT: R53.2 U1.N5 U3.K1 U4.K1
DDR3_RAS: R50.2 U1.P4 U3.J3 U4.J3
DDR3_RESET: R49.2 U1.B4 U3.T2 U4.T2
DDR3_S0: R48.2 U1.N1 U3.L2 U4.L2
DDR3_VRN: R27.1 U1.G5
DDR3_VRP: R26.1 U1.H5
DDR3_WE: R52.2 U1.M5 U3.L3 U4.L3
DDRVTT: C89.2 C90.2 C91.2 C92.2 C93.2 C94.2 C95.2 C96.2 C97.2 C98.2 C99.2 C144.2 C145.2 R28.1 R29.1 R30.1 R31.1 R32.1 R33.1 R34.1 R35.1 R36.1 R37.1 R38.1 R39.1 R40.1 R41.1 R42.1 R43.1 R46.1 R47.1 R48.1 R50.1 R51.1 R52.1 R53.1 R54.1 U5.3 U5.5
DVDD10: C189.2 C190.2 C194.2 C195.2 L8.2 R78.1 U13.28 U13.36
ENSWREG: R89.1 U13.38
ETH_MDC: U1.C10 U13.30
ETH_MDIO: R79.2 U1.C11 U13.31
ETH_RXCK: U1.B17
ETH_RXCLK: U13.19
ETH_RXCTL: R91.2 U1.D13 U13.13
ETH_RXD0: R84.1 U1.D11 U13.14
ETH_RXD1: R82.1 U1.A16 U13.16
ETH_RXD2: R85.1 U1.F15 U13.17
ETH_RXD3: R86.1 U1.A15 U13.18
ETH_TXCK: U1.A19 U13.22
ETH_TXCTL: U1.F14 U13.27
ETH_TXD0: U1.E14 U13.23
ETH_TXD1: U1.B18 U13.24
ETH_TXD2: U1.D10 U13.25
ETH_TXD3: U1.A17 U13.26
FPGA_DONE: LED4.2 R5.1 U1.R11
FPGA_TCK: J1.4 U1.F9
FPGA_TDI: J1.2 U1.G6
FPGA_TDO: J1.3 U1.F6
FPGA_TMS: J1.1 U1.J6
GND: C3.1 C4.2 C5.1 C6.2 C7.1 C8.1 C9.1 C10.1 C11.1 C12.1 C13.1 C14.1 C15.1 C16.1 C17.1 C18.1 C19.1 C20.1 C21.1 C22.1 C23.1 C24.1 C25.1 C26.1 C27.1 C28.1 C29.1 C30.1 C31.1 C32.1 C33.1 C34.1 C35.1 C36.1 C37.1 C38.1 C39.1 C40.1 C41.1 C42.1 C43.1 C44.1 C45.1 C46.1 C47.1 C48.1 C49.1 C50.1 C51.1 C52.1 C53.1 C54.1 C55.1 C56.1 C57.1 C58.1 C59.1 C60.1 C61.1 C62.1 C63.1 C64.1 C65.1 C66.1 C67.1 C68.1 C69.1 C70.1 C71.1 C72.1 C73.1 C74.1 C75.1 C76.1 C77.1 C78.1 C79.1 C80.1 C81.1 C82.1 C83.1 C84.1 C85.1 C86.1 C87.1 C88.1 C89.1 C90.1 C91.1 C92.1 C93.1 C94.1 C95.1 C96.1 C97.1 C98.1 C99.1 C102.1 C103.1 C104.1 C105.1 C106.1 C107.1 C108.1 C109.1 C110.1 C111.1 C112.1 C113.1 C114.1 C115.1 C116.1 C117.1 C118.1 C119.1 C120.1 C121.1 C122.1 C123.1 C124.1 C125.1 C126.1 C127.1 C128.1 C129.1 C130.1 C131.1 C132.1 C133.1 C134.1 C135.1 C136.1 C137.1 C138.1 C139.1 C140.1 C141.1 C142.1 C143.1 C144.1 C145.1 C146.1 C147.1 C148.1 C149.1 C150.1 C151.1 C152.1 C153.1 C154.1 C155.1 C156.1 C157.1 C158.1 C159.1 C160.1 C161.1 C162.1 C163.1 C164.1 C165.1 C166.1 C167.1 C168.1 C169.1 C170.1 C171.1 C172.1 C173.1 C174.1 C175.1 C176.1 C177.1 C178.1 C179.1 C180.1 C181.1 C182.1 C183.1 C184.1 C185.1 C186.1 C187.1 C188.1 C189.1 C190.1 C191.1 C192.1 C193.1 C194.1 C195.1 C196.2 C197.2 C198.1 J1.5 KEY1.1 L2.1 pad.3 R3.2 R4.2 R5.2 R6.2 R8.1 R10.1 R11.1 R12.1 R14.1 R21.1 R26.2 R44.2 R45.2 R49.1 R57.2 R70.1 R71.1 R76.1 R77.1 R80.1 R90.1 R91.1 TP5.1 U1.A8 U1.A18 U1.B1 U1.B11 U1.C4 U1.C9 U1.C14 U1.D17 U1.E10 U1.E20 U1.F3 U1.F7 U1.F10 U1.G10 U1.G12 U1.G16 U1.H7 U1.H9 U1.H11 U1.H13 U1.H19 U1.J2 U1.J8 U1.J12 U1.K5 U1.K7 U1.K11 U1.K13 U1.K15 U1.L8 U1.L12 U1.L18 U1.M1 U1.M7 U1.M9 U1.M10 U1.M11 U1.M13 U1.N4 U1.N8 U1.N10 U1.N12 U1.N14 U1.P7 U1.P9 U1.P11 U1.P13 U1.P17 U1.R8 U1.R12 U1.R20 U1.T3 U1.T7 U1.T13 U1.U6 U1.U16 U1.V9 U1.V19 U1.W2 U1.W12 U1.Y5 U1.Y15 U2.1 U3.A9 U3.B1 U3.B3 U3.B9 U3.D1 U3.D8 U3.E1 U3.E2 U3.E8 U3.F9 U3.G1 U3.G8 U3.G9 U3.J2 U3.J8 U3.M1 U3.M9 U3.P1 U3.P9 U3.T1 U3.T9 U4.A9 U4.B1 U4.B3 U4.B9 U4.D1 U4.D8 U4.E1 U4.E2 U4.E8 U4.F9 U4.G1 U4.G8 U4.G9 U4.J2 U4.J8 U4.M1 U4.M9 U4.P1 U4.P9 U4.T1 U4.T9 U5.4 U5.8 U5.11 U6.C4 U6.E7 U6.G5 U6.H10 U6.K8 U6.N2 U6.N5 U6.P4 U6.P6 U7.4 U8.2 U9.6 U9.7 U9.8 U9.15 U9.16 U9.20 U10.6 U10.7 U10.8 U10.15 U10.16 U10.20 U11.6 U11.7 U11.8 U11.15 U11.16 U11.20 U12.6 U12.7 U12.8 U12.15 U12.16 U12.20 U13.47 U13.49 X1.2 X2.2 Y1.2 Y1.4
INTB: R88.1 U13.20
MIO0_LED: LED2.1 U1.E6
MMC_CCLK: R24.2 U6.M6
MMC_CMD: R64.1 U1.B14 U6.M5
MMC_DATA0: R63.1 U1.D16 U6.A3
MMC_DATA1: R62.1 U1.C12 U6.A4
MMC_DATA2: R61.1 U1.B13 U6.A5
MMC_DATA3: R60.1 U1.B9 U6.B2
MMC_NRST: C152.2 R65.1 U6.K5
NetC5_2: C5.2 R20.1 R21.2 U1.E11
NetC85_2: C85.2 C86.2 L3.1 U1.G8
NetC143_2: C143.2 R56.2 R57.1 U5.1
NetC161_2: C161.2 U6.C2
NetC164_2: C164.2 C198.2 U8.1
NetC196_1: C196.1 U13.42 Y1.3
NetC197_1: C197.1 U13.43 Y1.1
NetKEY1_2: KEY1.2 U2.3
NetL4_1: L4.1 U9.1 U9.2 U9.3
NetL5_1: L5.1 U10.1 U10.2 U10.3
NetL6_1: L6.1 U11.1 U11.2 U11.3
NetL7_1: L7.1 U12.1 U12.2 U12.3
NetLED1_2: LED1.2 R3.1
NetLED2_2: LED2.2 R4.1
NetLED3_2: LED3.2 R6.1
NetR1_1: R1.1 U1.R10
NetR2_1: R2.1 U1.L6
NetR7_1: R7.1 X1.3
NetR13_2: R13.2 U1.A5
NetR17_1: R17.1 U1.E7
NetR17_2: R17.2 X2.3
NetR23_1: R23.1 U1.D14
NetR24_1: R24.1 U1.B12
NetR44_1: R44.1 U3.L8
NetR45_1: R45.1 U4.L8
NetR58_1: R58.1 U5.9
NetR67_1: R67.1 R70.2 U9.5
NetR68_1: R68.1 R71.2 U10.5
NetR72_1: R72.1 R76.2 U11.5
NetR73_1: R73.1 R77.2 U12.5
OTG_CLK: U1.A11
OTG_DATA0: U1.A14
OTG_DATA1: U1.D15
OTG_DATA2: U1.A12
OTG_DATA3: U1.F12
OTG_DATA4: U1.C16
OTG_DATA5: U1.A10
OTG_DATA6: U1.E13
OTG_DATA7: U1.C18
OTG_DIR: U1.C13
OTG_NXT: U1.E16
OTG_STP: U1.C15
PHY_AD0/LED0: R83.1 U13.34
PHY_AD1/LED1: R90.2 U13.35
PHY_MDI0_N: U13.2
PHY_MDI0_P: U13.1
PHY_MDI1_N: U13.5
PHY_MDI1_P: U13.4
PHY_MDI2_N: U13.8
PHY_MDI2_P: U13.7
PHY_MDI3_N: U13.11
PHY_MDI3_P: U13.10
PL_GCLK: R7.2 U1.U18
PL_LED: LED1.1 U1.J16
PMEB: R87.1 U13.33
PS_MIO7: R14.2 U1.D8
PS_MIO8: R9.2 U1.D5
PS_MIO9: U1.B5
PS_MIO10: U1.E9
PS_MIO11: U1.C6
PS_MIO12: U1.D9
PS_MIO13: U1.E8
PS_POR_B: R22.1 U1.C7 U2.2 U13.32
PS_SRST_B: R25.1 U1.B10
PW_GOOD: R75.1 U12.4
QSPI_CS: R59.1 U1.A7 U7.1
QSPI_D0: R10.2 U1.B8 U7.5
QSPI_D1: R11.2 U1.D6 U7.2
QSPI_D2: U1.B7 U7.3
QSPI_D3: U1.A6 U7.7
QSPI_SCK: R12.2 R13.1 U7.6
REGOUT: L8.1 U13.48
RSET: R80.2 U13.39
RXDLY: R81.1
SD_CLK: R23.2
SD_CMD: U1.C17
SD_D0: U1.E12
SD_D1: U1.A9
SD_D2: U1.F13
SD_D3: U1.B15
UART_RXD: U1.C5
UART_TXD: U1.C8
VCCIO: C162.2 C163.2 U1.C19 U1.F18 U1.H14 U1.J17 U1.K20 U1.M16 U8.5
VTTREF: C87.2 C88.2 C100.1 C101.1 C102.2 C103.2 C149.2 C150.2 U1.H6 U1.P6 U3.H1 U3.M8 U4.H1 U4.M8 U5.6
XADC_VN: U1.L10
XADC_VP: U1.K9
pads on no net: U1.T5 U1.T9 U1.U5 U1.U7 U1.U8 U1.U9 U1.U10 U1.V5 U1.V6 U1.V7 U1.V8 U1.V10 U1.V11 U1.W5 U1.W6 U1.W8 U1.W9 U1.W10 U1.W11 U1.Y6 U1.Y7 U1.Y8 U1.Y9 U1.Y11 U1.Y12 U1.Y13 U3.B7 U3.J1 U3.J9 U3.L1 U3.L9 U3.M7 U4.B7 U4.J1 U4.J9 U4.L1 U4.L9 U4.M7 U6.1 U6.2 U6.3 U6.4 U6.5 U6.6 U6.7 U6.8 U6.9 U6.10 U6.11 U6.12 U6.13 U6.14 U6.15 U6.16 U6.A1 U6.A2 U6.A6 U6.A7 U6.A8 U6.A9 U6.A10 U6.A11 U6.A12 U6.A13 U6.A14 U6.B3 U6.B4 U6.B5 U6.B6 U6.B7 U6.B8 U6.B9 U6.B10 U6.B11 U6.B12 U6.B13 U6.B14 U6.C1 U6.C3 U6.C5 U6.C7 U6.C8 U6.C9 U6.C10 U6.C11 U6.C12 U6.C13 U6.C14 U6.D1 U6.D2 U6.D3 U6.D4 U6.D12 U6.D13 U6.D14 U6.E1 U6.E2 U6.E3 U6.E5 U6.E8 U6.E9 U6.E10 U6.E12 U6.E13 U6.E14 U6.F1 U6.F2 U6.F3 U6.F10 U6.F12 U6.F13 U6.F14 U6.G1 U6.G2 U6.G3 U6.G10 U6.G12 U6.G13 U6.G14 U6.H1 U6.H2 U6.H3 U6.H5 U6.H12 U6.H13 U6.H14 U6.J1 U6.J2 U6.J3 U6.J5 U6.J12 U6.J13 U6.J14 U6.K1 U6.K2 U6.K3 U6.K6 U6.K7 U6.K10 U6.K12 U6.K13 U6.K14 U6.L1 U6.L2 U6.L3 U6.L12 U6.L13 U6.L14 U6.M1 U6.M2 U6.M3 U6.M7 U6.M8 U6.M9 U6.M10 U6.M11 U6.M12 U6.M13 U6.M14 U6.N3 U6.N6 U6.N7 U6.N8 U6.N9 U6.N10 U6.N11 U6.N12 U6.N13 U6.N14 U6.P1 U6.P2 U6.P7 U6.P8 U6.P9 U6.P10 U6.P11 U6.P12 U6.P13 U6.P14 U7.9 U8.4 U13.12 U13.29 U13.46

## Keep-outs
Keep-Out Layer:
  the board outline again, w0.254

## Text inside footprints (layer, text, board x,y; h text height)
TP1: Mechanical 10 "1" at 48.514,16.332 h0.64 r180
TP2: Mechanical 10 "1" at 48.641,13.792 h0.64 r180
TP3: Mechanical 10 "1" at 48.895,28.651 h0.64 r180
TP4: Mechanical 10 "1" at 48.895,22.301 h0.64 r180
TP5: Mechanical 10 "1" at 49.403,4.521 h0.64 r180